# Altium PCB LimePSB-RPCM_1v2.PcbDoc (part 2 of 10) (continued)
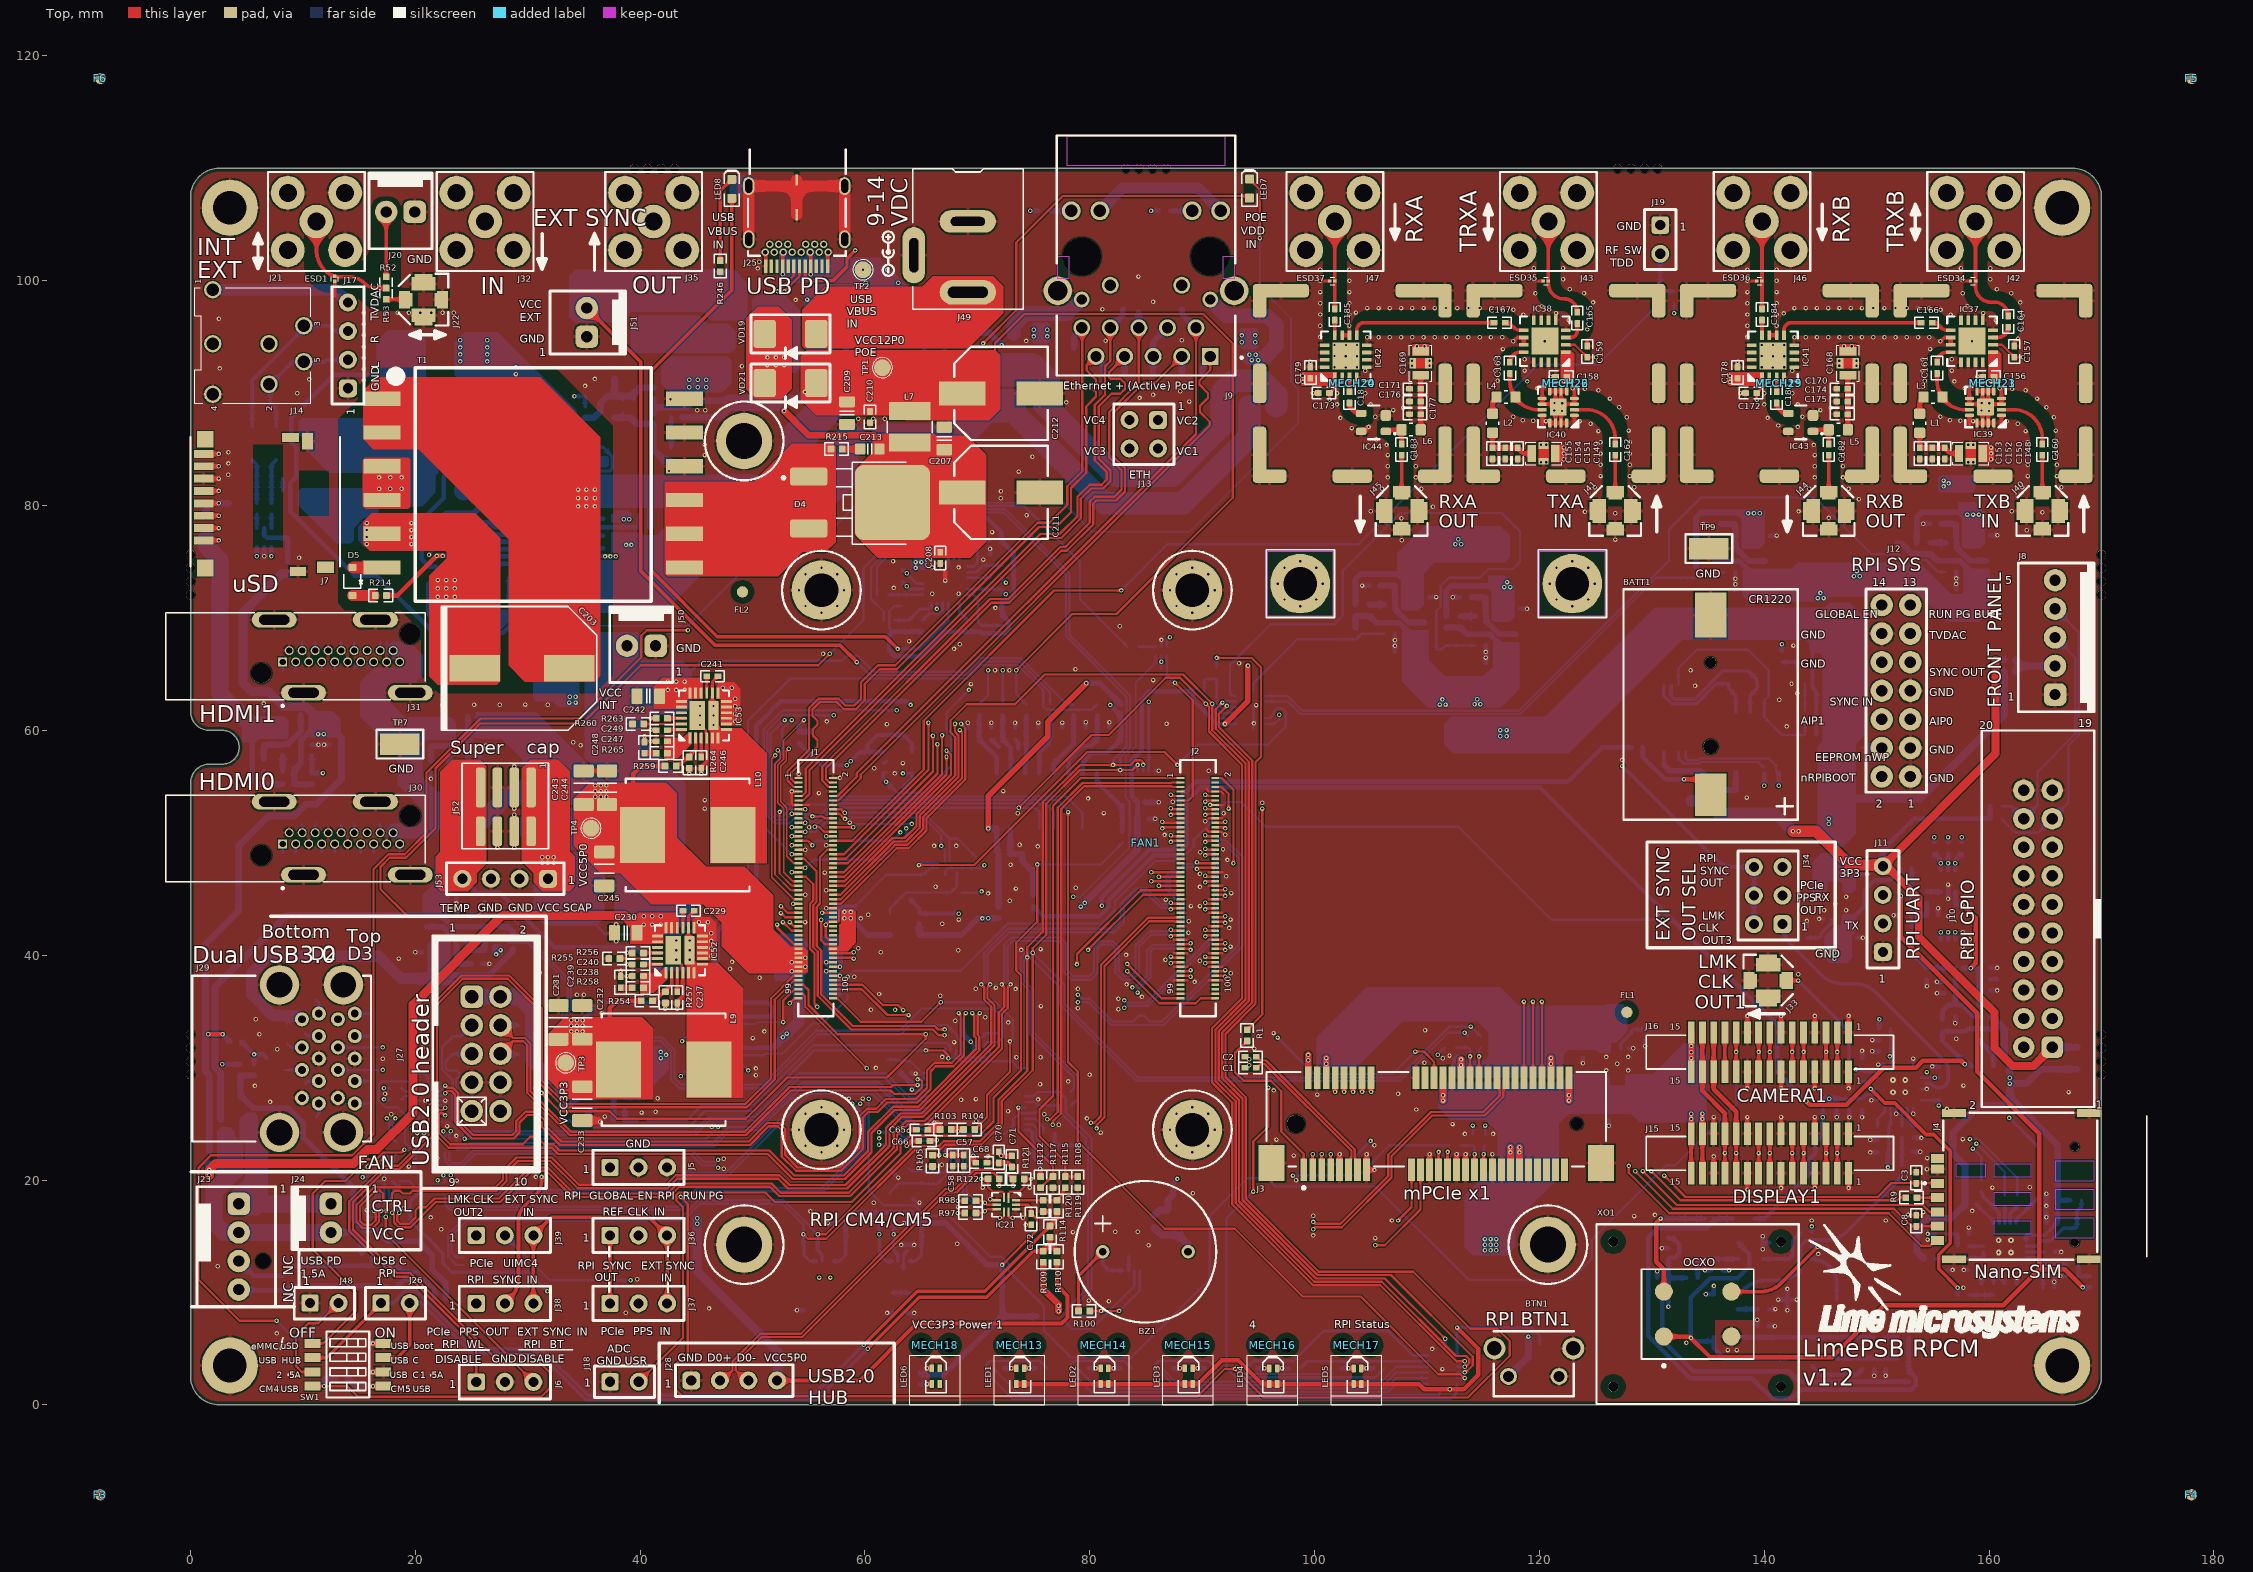
[diagram p0: Top view]
## Footprints (in the part's own frame and the unit in brackets; to place one, negate y for a bottom-side part, rotate by r counter-clockwise, add the part's x,y. Pads: shape width x height; smd on the part's side, far side on the other; paste and mask are expansions set on the pad) (continued)
DUAL_USB-C_632723100011 [mm]
  rect 0.3x1.2 smd mask+0.05: A1(-2.75,5.93) A2(-2.25,5.93) A3(-1.75,5.93) A4(-1.25,5.93) A5(-0.75,5.93) A6(-0.25,5.93) A7(0.25,5.93) A8(0.75,5.93) A9(1.25,5.93) A10(1.75,5.93) A11(2.25,5.93) A12(2.75,5.93)
  round 0.65 hole 0.4 mask+0.04: B1(2.8,4.68) B2(2.4,3.98) B3(1.6,3.98) B4(1.2,4.68) B5(0.8,3.98) B6(0.4,4.68) B7(-0.4,4.68) B8(-0.8,3.98) B9(-1.2,4.68) B10(-1.6,3.98) B11(-2.4,3.98) B12(-2.8,4.68) GND(-2,4.68) GND1(2,4.68)
  oval 1x1.6 hole 0.6 slot 1.2 at 90 deg mask+0.05: Shell(-4.27,3.53) Shell(-4.27,-1.2) Shell(4.27,3.53) Shell(4.27,-1.2)
  rect 0.2x1 smd mask+0.05: Shell(0,1.35) Shell(0,-1.75)
  silkscreen extent -4.37,-4.45 4.34,5, body extent -4.37,-5.6 4.37,6.19, height 3.05
Dual_USB_48406-0003_Molex [mm]
  round 1.25 hole 0.7 paste-0.61 mask+0: 1(-3.5,-1.35) 2(-1,-1.35) 3(1,-1.35) 4(3.5,-1.35) 5(4,0.15) 6(2,0.15) 7(0,0.15) 8(-2,0.15) 9(-4,0.15) 10(-3.5,1.85) 11(-1,1.85) 12(1,1.85) 13(3.5,1.85) 14(4,3.35) 15(2,3.35) 16(0,3.35) 17(-2,3.35) 18(-4,3.35)
  round 3.5 hole 2.3 paste-1.156 mask-1.156: SHIELD(-6.57,-3.35) SHIELD(-6.57,2.33) SHIELD(6.57,-3.35) SHIELD(6.57,2.33)
  silkscreen extent -7.38,-11.11 7.38,4.8, body extent -7.84,-12.81 7.84,4.65, height 16.2
EMC2301-1-ACZL-TR_MOTOR_DRIVER_TSSOP8 [mm]
  rrect50% 1.7x0.45 smd paste+0 mask+0.05: 1(-2.05,0.975) 2(-2.05,0.325) 3(-2.05,-0.325) 4(-2.05,-0.975) 5(2.05,-0.975) 6(2.05,-0.325) 7(2.05,0.325) 8(2.05,0.975)
  silkscreen extent -2.58,-1.5 0.67,1.68, body extent -2.45,-1.5 2.45,1.5, height 1.1
ER2D-LTP_DIODE_DO-214AA [mm]
  round 0.508 on Mech14: 0(0,0)
  rrect25% 2x2.5 smd: A(2.3,0) C(-2.3,0)
  silkscreen extent -3.5,-2.2 3.5,1.7, body extent -2.7,-1.8 2.7,1.8, height 2.3
ESD8472_X3DFN2 [mm]
  rect 0.31x0.3 smd mask+0.05: 1(-0.225,0) 2(0.225,0)
  silkscreen extent -0.2,-0.33 0.2,0.33, body extent -0.34,-0.17 0.34,0.18, height 0.33
FAN_80mm_V1 [mm]
  round 5 hole 3.2 mask+0.05: 1(-35.75,-35.75) 1(-35.75,35.75) 1(35.75,-35.75)
  body extent -66.34,-40 40,40, height 30
FDMS86250_NMOS_POWER56 [mm]
  rect 0.61x1.27 smd mask+0.05: 1(-1.905,-2.67) 2(-0.635,-2.67) 3(0.635,-2.67) 4(1.905,-2.67)
  rect 0.61x0.77 smd mask+0.05: 5(1.905,2.92) 6(0.635,2.92) 7(-0.635,2.92) 8(-1.905,2.92)
  rect 0.255x0.5 smd mask+0.05: 5(2.083,2.285) 8(-2.083,2.285)
  rect 3.91x3.75 smd mask+0.05: PAD(0,0.66)
  silkscreen extent -2.6,-3.7 2.45,2.88, body extent -2.45,-3.24 2.45,3.24, height 1.2
FDVE1040_TOKO_INDUCTOR [mm] "Precision Wire Wound Inductor"
  rect 4x5 smd: 1(-4.025,0) 2(4.025,0)
  silkscreen extent -5.5,-5 5.5,5, body extent -5.55,-5.26 5.45,5.26, height 4.72
Fiducial [mm]
  round 1 smd paste-1 mask+1: 1(0,0)
  Top pour cut-out: 0,1.5 -0.574,1.386 -1.061,1.061 -1.386,0.574 -1.5,0 -1.5,0 -1.386,-0.574 -1.061,-1.061 -0.574,-1.386 0,-1.5 0,-1.5 0.574,-1.386 1.061,-1.061 1.386,-0.574 1.5,0 1.5,0 1.386,0.574 1.061,1.061 0.574,1.386 0,1.5
Fiducial_local [mm]
  round 1 smd paste-1 mask+0.5: 1(0,0)
  Top pour cut-out: -1.05,0 -0.97,-0.402 -0.742,-0.742 -0.402,-0.97 0,-1.05 0,-1.05 0.402,-0.97 0.742,-0.742 0.97,-0.402 1.05,0 1.05,0 0.97,0.402 0.742,0.742 0.402,0.97 0,1.05 0,1.05 -0.402,0.97 -0.742,0.742 -0.97,0.402 -1.05,0
FP-DF40C-100DS-0.4V(51) [mm]
  rect 0.2x0.7 smd mask+0: 1(-9.8,-1.54) 2(-9.8,1.54) 3(-9.4,-1.54) 4(-9.4,1.54) 5(-9,-1.54) 6(-9,1.54) 7(-8.6,-1.54) 8(-8.6,1.54) 9(-8.2,-1.54) 10(-8.2,1.54) 11(-7.8,-1.54) 12(-7.8,1.54) 13(-7.4,-1.54) 14(-7.4,1.54) 15(-7,-1.54) 16(-7,1.54) 17(-6.6,-1.54) 18(-6.6,1.54) 19(-6.2,-1.54) 20(-6.2,1.54) 21(-5.8,-1.54) 22(-5.8,1.54) 23(-5.4,-1.54) 24(-5.4,1.54) 25(-5,-1.54) 26(-5,1.54) 27(-4.6,-1.54) 28(-4.6,1.54) 29(-4.2,-1.54) 30(-4.2,1.54) 31(-3.8,-1.54) 32(-3.8,1.54) 33(-3.4,-1.54) 34(-3.4,1.54) 35(-3,-1.54) 36(-3,1.54) 37(-2.6,-1.54) 38(-2.6,1.54) 39(-2.2,-1.54) 40(-2.2,1.54) 41(-1.8,-1.54) 42(-1.8,1.54) 43(-1.4,-1.54) 44(-1.4,1.54) 45(-1,-1.54) 46(-1,1.54) 47(-0.6,-1.54) 48(-0.6,1.54) 49(-0.2,-1.54) 50(-0.2,1.54) 51(0.2,-1.54) 52(0.2,1.54) 53(0.6,-1.54) 54(0.6,1.54) 55(1,-1.54) 56(1,1.54) 57(1.4,-1.54) 58(1.4,1.54) 59(1.8,-1.54) 60(1.8,1.54) 61(2.2,-1.54) 62(2.2,1.54) 63(2.6,-1.54) 64(2.6,1.54) 65(3,-1.54) 66(3,1.54) 67(3.4,-1.54) 68(3.4,1.54) 69(3.8,-1.54) 70(3.8,1.54) 71(4.2,-1.54) 72(4.2,1.54) 73(4.6,-1.54) 74(4.6,1.54) 75(5,-1.54) 76(5,1.54) 77(5.4,-1.54) 78(5.4,1.54) 79(5.8,-1.54) 80(5.8,1.54) 81(6.2,-1.54) 82(6.2,1.54) 83(6.6,-1.54) 84(6.6,1.54) 85(7,-1.54) 86(7,1.54) 87(7.4,-1.54) 88(7.4,1.54) 89(7.8,-1.54) 90(7.8,1.54) 91(8.2,-1.54) 92(8.2,1.54) 93(8.6,-1.54) 94(8.6,1.54) 95(9,-1.54) 96(9,1.54) 97(9.4,-1.54) 98(9.4,1.54) 99(9.8,-1.54) 100(9.8,1.54)
  silkscreen extent -11.4,-1.57 11.4,1.57, body extent -11.3,-1.69 11.3,1.69, height 1.4
FPC_CONNECTOR_15pin_1-1734248-5 [mm]
  rect 0.6x2 smd mask+0.05: 1(7,-1.75) 1(7,1.75) 2(6,-1.75) 2(6,1.75) 3(5,-1.75) 3(5,1.75) 4(4,1.75) 4(4,-1.75) 5(3,-1.75) 5(3,1.75) 6(2,-1.75) 6(2,1.75) 7(1,-1.75) 7(1,1.75) 8(0,-1.75) 8(0,1.75) 9(-1,-1.75) 9(-1,1.75) 10(-2,-1.75) 10(-2,1.75) 11(-3,-1.75) 11(-3,1.75) 12(-4,-1.75) 12(-4,1.75) 13(-5,-1.75) 13(-5,1.75) 14(-6,-1.75) 14(-6,1.75) 15(-7,-1.75) 15(-7,1.75)
  silkscreen extent -11,-1.5 11,1.5, body extent -11.2,-2.45 11.2,2.4, height 5.68
FSUSB42UMX#1 [mm]
  rect 0.91x0.2 smd mask+0.04: 1(-0.6,0.2)
  rect 0.81x0.2 smd mask+0.04: 2(-0.65,-0.2) 6(0.65,-0.2) 7(0.65,0.2)
  rect 0.2x0.72 smd mask+0.04: 3(-0.4,-0.85) 4(0,-0.85) 5(0.4,-0.85) 8(0.4,0.85) 9(0,0.85) 10(-0.4,0.85)
  silkscreen extent -1.08,-1.28 1.08,1.28, body extent -0.7,-0.9 0.7,0.9, height 0.51
FSUSB42UMX#2 [mm]
  rect 0.91x0.2 smd mask+0.03: 1(-0.6,0.2)
  rect 0.81x0.2 smd mask+0.03: 2(-0.65,-0.2) 6(0.65,-0.2) 7(0.65,0.2)
  rect 0.2x0.77 smd mask+0.03: 3(-0.4,-0.85) 4(0,-0.85) 5(0.4,-0.85) 8(0.4,0.85) 9(0,0.85) 10(-0.4,0.85)
  silkscreen extent -1.08,-1.28 1.08,1.28, body extent -0.7,-0.9 0.7,0.9, height 0.51
FSUSB42UMX#3 [mm]
  rect 0.91x0.22 smd mask+0.03: 1(-0.6,0.2)
  rect 0.81x0.22 smd mask+0.03: 2(-0.65,-0.2) 6(0.65,-0.2) 7(0.65,0.2)
  rect 0.22x0.75 smd mask+0.03: 3(-0.4,-0.85) 4(0,-0.85) 5(0.4,-0.85) 8(0.4,0.85) 9(0,0.85) 10(-0.4,0.85)
  silkscreen extent -1.08,-1.27 1.08,1.28, body extent -0.7,-0.9 0.7,0.9, height 0.51
FUSB340TMX_USB_SWITCH_18-XFQFN [mm]
  rrect50% 0.6x0.2 smd mask+0.035: 1(-0.977,0.8)
  rrect75% 0.6x0.2 smd mask+0.035: 2(-0.977,0.4) 3(-0.977,0) 4(-0.977,-0.4) 5(-0.977,-0.8) 10(0.977,-0.8) 11(0.977,-0.4) 12(0.977,0) 13(0.977,0.4) 14(0.977,0.8)
  rrect75% 0.2x0.6 smd mask+0.035: 6(-0.6,-1.377) 7(-0.2,-1.377) 8(0.2,-1.377) 9(0.6,-1.377) 15(0.6,1.377) 16(0.2,1.377) 17(-0.2,1.377) 18(-0.6,1.377)
  rrect50% 1x1.8 smd mask+0.035: PAD(0,0)
  silkscreen extent -1.4,-1.8 1.4,1.8, body extent -1,-1.4 1,1.4, height 0.4
HDMI_HD01-19-RA-TH [mm]
  rect 0.8x0.8 hole 0.55 mask+0.05: 1(0,0)
  round 0.8 hole 0.55 mask+0.05: 2(-0.578,-1) 3(-1.156,0) 4(-1.734,-1) 5(-2.312,0) 6(-2.89,-1) 7(-3.468,0) 8(-4.046,-1) 9(-4.624,0) 10(-5.202,-1) 11(-5.78,0) 12(-6.358,-1) 13(-6.936,0) 14(-7.514,-1) 15(-8.092,0) 16(-8.67,-1) 17(-9.248,0) 18(-9.826,-1) 19(-10.404,0)
  oval 4x1.4 hole 0.9 slot 2.7 at 0 deg: S1(-1.85,2.75) S2(-11.35,2.75) S3(-8.25,-3.75) S4(0.75,-3.75)
  round 1.8 hole 1.8 unplated: ""(-11.35,-2.5) ""(1.9,1)
  silkscreen extent -12.7,-4.35 10.4,4.02, body extent -12.7,-4.45 10.4,3.43, height 16.43
HDR_1x2 [mm]
  rrect25% 1.524x1.524 hole 0.9: 1(0,1.27)
  round 1.6 hole 0.9: 2(0,-1.27)
  silkscreen extent -1.4,-2.68 1.4,2.68, body extent -1.27,-2.54 1.27,2.54, height 8.54
HDR_1x3 [mm]
  rrect25% 1.524x1.524 hole 0.9: 1(0,2.54)
  round 1.6 hole 0.9: 2(0,0) 3(0,-2.54)
  silkscreen extent -1.53,-4.05 1.53,4.05, body extent -1.27,-3.81 1.27,3.81, height 8.54
Header1x2_TH_LOCKING [mm]
  rrect50% 2x2 hole 1: 1(1.271,0)
  round 2 hole 1: 2(-1.271,0)
  silkscreen extent -2.8,-3.28 2.8,3.45, body extent -2.54,-2.9 2.54,2.9, height 11.52
Header1x4_TH_LOCKING_v2 [mm]
  round 0.25 hole 1.3 unplated mask+0.05: 0(-1.271,-2.16)
  rrect50% 2x2 hole 1: 1(3.814,0)
  round 2 hole 1: 2(1.271,0) 3(-1.271,0) 4(-3.814,0)
  silkscreen extent -5.34,-3.28 5.34,3.7, body extent -5.1,-2.54 5.1,3.3, height 9.84
Header1x5_TH_LOCKING [mm]
  rrect50% 2x2 hole 1: 1(5.086,0)
  round 2 hole 1: 2(2.543,0) 3(0,0) 4(-2.543,0) 5(-5.086,0)
  silkscreen extent -6.61,-3.28 6.61,3.45, body extent -6.35,-2.9 6.35,2.9, height 11.52
HEADER2X2_TH [mm]
  rrect50% 1.6x1.6 hole 0.9: 1(-1.271,-1.271)
  round 1.6 hole 0.9: 2(-1.271,1.271) 3(1.271,-1.271) 4(1.271,1.271)
  silkscreen extent -2.7,-2.68 2.68,2.7, body extent -2.54,-2.54 2.54,2.54, height 8.54
Header3x2 [mm]
  rrect50% 1.6x1.6 hole 0.9: 1(-1.271,-1.271)
  round 1.6 hole 0.9: 2(-1.271,1.271) 3(1.271,-1.271) 4(1.271,1.271) 5(3.814,-1.271) 6(3.814,1.271)
  silkscreen extent -2.68,-2.68 5.23,2.68, body extent -2.54,-2.54 5.08,2.54, height 8.54
HEADER4X1_TH [mm]
  rrect50% 1.6x1.6 hole 0.9: 1(-3.814,0)
  round 1.6 hole 0.9: 2(-1.271,0) 3(1.271,0) 4(3.814,0)
  silkscreen extent -5.23,-1.43 5.23,1.4, body extent -5.08,-1.27 5.08,1.27, height 8.54
Header5x2_TH [mm]
  rrect50% 2x2 hole 1.2: 1(-5.086,-1.271)
  round 2 hole 1.2: 2(-5.086,1.271) 3(-2.543,-1.271) 4(-2.543,1.271) 5(0,-1.271) 6(0,1.271) 7(2.543,-1.271) 8(2.543,1.271) 9(5.086,-1.271) 10(5.086,1.271)
  silkscreen extent -10.5,-4.75 10.5,4.75, body extent -10.18,-4.44 10.14,4.45, height 9.55
Header7x2_TH [mm] "JTAG"
  round 2 hole 1: 1(-7.629,-1.271) 2(-7.629,1.271) 3(-5.086,-1.271) 4(-5.086,1.271) 5(-2.543,-1.271) 6(-2.543,1.271) 7(0,-1.271) 8(0,1.271) 9(2.543,-1.271) 10(2.543,1.271) 11(5.086,-1.271) 12(5.086,1.271) 13(7.629,-1.271) 14(7.629,1.271)
  silkscreen extent -9.03,-2.7 9.04,2.68, body extent -8.9,-2.54 8.9,2.54, height 8.54
HEADER10X2_TH_LOCK [mm]
  rrect50% 1.9x1.9 hole 1 mask+0.05: 1(-11.43,-1.27)
  round 1.9 hole 1 mask+0.05: 2(-11.43,1.27) 3(-8.89,-1.27) 4(-8.89,1.27) 5(-6.35,-1.27) 6(-6.35,1.27) 7(-3.81,-1.27) 8(-3.81,1.27) 9(-1.27,-1.27) 10(-1.27,1.27) 11(1.27,-1.27) 12(1.27,1.27) 13(3.81,-1.27) 14(3.81,1.27) 15(6.35,-1.27) 16(6.35,1.27) 17(8.89,-1.27) 18(8.89,1.27) 19(11.43,-1.27) 20(11.43,1.27)
  silkscreen extent -16.75,-5.6 16.75,5, body extent -16.51,-4.5 16.51,4.6, height 9
HWSON8_LM75 [mm]
  rect 0.625x0.25 smd mask+0.05: 1(-1.4,0.75) 2(-1.4,0.25) 3(-1.4,-0.25) 4(-1.4,-0.75) 5(1.4,-0.75) 6(1.4,-0.25) 7(1.4,0.25) 8(1.4,0.75)
  rect 1.6x1.6 smd mask+0.05: 9(0,0)
  silkscreen extent -1.9,-1.63 1.9,1.6, body extent -1.51,-1.5 1.51,1.5, height 0.8
IRF9358TRPBF_DUAL_NMOS_SOIC8 [mm] "8-Pin Small Outline Integrated Circuit 1.27 mm Pitch"
  oval 1.7x0.6 smd mask+0.05: 1(-2.55,1.905) 2(-2.55,0.635) 3(-2.55,-0.635) 4(-2.55,-1.905) 5(2.55,-1.905) 6(2.55,-0.635) 7(2.55,0.635) 8(2.55,1.905)
  silkscreen extent -2.57,-2.5 1.2,2.88, body extent -3,-2.45 3,2.45, height 1.75
KMB210S_RECTIFIER_BRIDGE [mm]
  rect 0.9x1.84 smd mask+0.05: 1(1.2,3) 2(-1.2,3) 3(-1.2,-3) 4(1.2,-3)
  Top pour cut-out: -2.5,-1.3 -2.5,1.3 2.525,1.3 2.525,-1.3
  silkscreen extent -3.28,-2.97 3.29,3.46, body extent -2.31,-3.35 2.41,3.35, height 2.71
LED-2x0603 [mm]
  round 0.254 on Mech15: 0(0,0)
  rrect25% 0.7x0.4 smd: 1(-0.775,0.325) 2(-0.775,-0.375) 3(0.625,0.325) 4(0.625,-0.375)
  Top pour cut-out: -0.5,0.5 0.5,0.5 0.5,-0.5 -0.5,-0.5
  silkscreen extent -1.55,-0.95 1.68,0.9, body extent -0.8,-0.42 0.8,0.38, height 0.75
LED-0603-GREEN [mm]
  round 0.254 on Mech15: 0(0,0)
  rrect25% 0.8x0.8 smd: A(-0.85,0) K(0.85,0)
  Top pour cut-out: -0.5,0.5 0.5,0.5 0.5,-0.5 -0.5,-0.5
  silkscreen extent -1.55,-0.67 1.68,0.67, body extent -0.8,-0.4 0.8,0.4, height 0.75
LIGHT_PIPE_RIGHT_ANGLE_SLP3-200-100-F [mm]
  round 0.9 hole 1.3 unplated: 0(0,1.225) 0(0,-1.275)
  Top pour cut-out: 0,-1.275 -1.1,-1.275 -1.1,-1.166 -1.058,-0.954 -0.975,-0.754 -0.854,-0.573 -0.701,-0.42 -0.521,-0.3 -0.321,-0.217 -0.108,-0.175 0,-0.175 0,-0.175
  Top pour cut-out: 0,-1.275 1.1,-1.275 1.1,-1.383 1.058,-1.595 0.975,-1.796 0.854,-1.976 0.701,-2.129 0.521,-2.249 0.321,-2.332 0.108,-2.375 0,-2.375 0,-2.375
  Top pour cut-out: 0,-1.275 0,-2.375 -0.108,-2.375 -0.321,-2.332 -0.521,-2.249 -0.701,-2.129 -0.854,-1.976 -0.975,-1.796 -1.058,-1.595 -1.1,-1.383 -1.1,-1.275 -1.1,-1.275
  Top pour cut-out: 0,-1.275 0,-0.175 0.108,-0.175 0.321,-0.217 0.521,-0.3 0.701,-0.42 0.854,-0.573 0.975,-0.754 1.058,-0.954 1.1,-1.166 1.1,-1.275 1.1,-1.275
  Top pour cut-out: 0,1.225 -1.1,1.225 -1.1,1.334 -1.058,1.546 -0.975,1.746 -0.854,1.927 -0.701,2.08 -0.521,2.2 -0.321,2.283 -0.108,2.325 0,2.325 0,2.325
  Top pour cut-out: 0,1.225 1.1,1.225 1.1,1.117 1.058,0.905 0.975,0.704 0.854,0.524 0.701,0.371 0.521,0.251 0.321,0.168 0.108,0.125 0,0.125 0,0.125
  Top pour cut-out: 0,1.225 0,0.125 -0.108,0.125 -0.321,0.168 -0.521,0.251 -0.701,0.371 -0.854,0.524 -0.975,0.704 -1.058,0.905 -1.1,1.117 -1.1,1.225 -1.1,1.225
  Top pour cut-out: 0,1.225 0,2.325 0.108,2.325 0.321,2.283 0.521,2.2 0.701,2.08 0.854,1.927 0.975,1.746 1.058,1.546 1.1,1.334 1.1,1.225 1.1,1.225
  silkscreen extent 0.89,-2.29 5.3,2.21, body extent -1.07,-2.32 7.82,2.21, height 6.62
LMK00105SQ [mm] "QFN, 24-Leads, Body 4,00x4,00mm, Pitch 0,50mm, Thermal Pad 2,60x2,60mm, IPC Medium Density"
  oval 0.9x0.25 smd mask+0.05: 1(-1.925,1.25) 2(-1.925,0.75) 3(-1.925,0.25) 4(-1.925,-0.25) 5(-1.925,-0.75) 6(-1.925,-1.25) 13(1.925,-1.25) 14(1.925,-0.75) 15(1.925,-0.25) 16(1.925,0.25) 17(1.925,0.75) 18(1.925,1.25)
  oval 0.25x0.9 smd mask+0.05: 7(-1.25,-1.925) 8(-0.75,-1.925) 9(-0.25,-1.925) 10(0.25,-1.925) 11(0.75,-1.925) 12(1.25,-1.925) 19(1.25,1.925) 20(0.75,1.925) 21(0.25,1.925) 22(-0.25,1.925) 23(-0.75,1.925) 24(-1.25,1.925)
  rect 2.5x2.5 smd mask+0.05: 25(0,0)
  silkscreen extent -2.3,-2.3 2.3,2.3, body extent -2,-2 2,2, height 1
M24128-DFMC6TG [mm] "8-UFDFPN (2x3)"
  rect 0.65x0.3 smd mask+0.045: 1(-1.4,0.75) 2(-1.4,0.25) 3(-1.4,-0.25) 4(-1.4,-0.75) 5(1.4,-0.75) 6(1.4,-0.25) 7(1.4,0.25) 8(1.4,0.75)
  rect 1.7x1.7 smd mask+0.05: PAD(0,0)
  silkscreen extent -2.06,-1.1 0.9,1.1, body extent -1.52,-1.01 1.52,0.99, height 0.9
MCP3208-CI/SL_SOIC16 [mm] "SOIC, 16-Leads, Body 9.9x3.9mm, Pitch 1.27mm, IPC Low Density"
  oval 2.5x0.7 smd: 1(-2.45,4.445) 2(-2.45,3.175) 3(-2.45,1.905) 4(-2.45,0.635) 5(-2.45,-0.635) 6(-2.45,-1.905) 7(-2.45,-3.175) 8(-2.45,-4.445) 9(2.45,-4.445) 10(2.45,-3.175) 11(2.45,-1.905) 12(2.45,-0.635) 13(2.45,0.635) 14(2.45,1.905) 15(2.45,3.175) 16(2.45,4.445)
  silkscreen extent -2.57,-5 0.8,5.47, body extent -3,-4.95 3,4.95, height 1.4
MICRO_SD_CARD_114-00841-68_v2 [mm]
  rect 0.7x1.75 smd mask+0.1: 1(3.2,-5.412) 6(-2.3,-5.412)
  rect 0.701x1.753 smd mask+0.1: 2(2.1,-5.412) 8(-4.5,-5.412)
  rect 0.701x1.752 smd mask+0.1: 3(1,-5.412) 4(-0.1,-5.412) 5(-1.2,-5.412) 7(-3.4,-5.412)
  rect 1.501x1.501 smd mask+0.1: 9(-5.8,-5.288)
  rect 1.502x1.502 smd mask+0.1: 10(5.65,-5.288)
  rect 0.801x1.501 smd mask+0.1: 11(-5.975,2.312)
  rect 0.8x1.401 smd mask+0.1: 12(5.975,2.963)
  rect 1.5x1 smd mask+0.1: 13(-5.62,3.812)
  rect 1.001x1.502 smd mask+0.1: 14(5.575,5.413)
  Top pour cut-out: 3.8,-1 -5.3,-1 -5.3,1.6 3.8,1.6
  Top pour cut-out: 1,3.1 -3,3.1 -3,5.7 1,5.7
  silkscreen extent -6,-6.6 5.5,6.7, body extent -6,-9.9 6,5.75, height 1.6
MINIPCIE_CONNECTOR_XTRX [mm]
  rect 0.6x2 smd paste+0 mask+0: 1(-11.8,-4.5) 2(-11.4,3.7) 3(-11,-4.5) 4(-10.6,3.7) 5(-10.2,-4.5) 6(-9.8,3.7) 7(-9.4,-4.5) 8(-9,3.7) 9(-8.6,-4.5) 10(-8.2,3.7) 11(-7.8,-4.5) 12(-7.4,3.7) 13(-7,-4.5) 14(-6.6,3.7) 15(-6.2,-4.5) 16(-5.8,3.7) 17(-2.2,-4.5) 18(-1.8,3.7) 19(-1.4,-4.5) 20(-1,3.7) 21(-0.6,-4.5) 22(-0.2,3.7) 23(0.2,-4.5) 24(0.6,3.7) 25(1,-4.5) 26(1.4,3.7) 27(1.8,-4.5) 28(2.2,3.7) 29(2.6,-4.5) 30(3,3.7) 31(3.4,-4.5) 32(3.8,3.7) 33(4.2,-4.5) 34(4.6,3.7) 35(5,-4.5) 36(5.4,3.7) 37(5.8,-4.5) 38(6.2,3.7) 39(6.6,-4.5) 40(7,3.7) 41(7.4,-4.5) 42(7.8,3.7) 43(8.2,-4.5) 44(8.6,3.7) 45(9,-4.5) 46(9.4,3.7) 47(9.8,-4.5) 48(10.2,3.7) 49(10.6,-4.5) 50(11,3.7) 51(11.4,-4.5) 52(11.8,3.7)
  rect 2.3x3.2 smd paste+0 mask+0: 53(-14.65,-3.9) 54(14.65,-3.9)
  round 5.3 hole 3 unplated: MH1(-12.1,47.65) MH2(12.1,47.65)
  round 1.6 hole 1.6 unplated paste-1000 mask+0: ""(-12.5,-0.4)
  round 1.1 hole 1.1 unplated paste-1000 mask+0: ""(12.5,-0.4)
  KeepOutLayer region: -9.2,44.75 -15,44.75 -15,50.55 -9.2,50.55 hole: -12.1,48.961 -12.439,48.917 -12.756,48.786 -13.027,48.577 -13.236,48.306 -13.367,47.989 -13.411,47.65 -13.367,47.311 -13.236,46.994 -13.027,46.723 -12.756,46.514 -12.439,46.383 -12.1,46.339 -11.761,46.383 -11.444,46.514 -11.173,46.723 -10.964,46.994 -10.833,47.311 -10.789,47.65 -10.833,47.989 -10.964,48.306 -11.173,48.577 -11.444,48.786 -11.761,48.917
  KeepOutLayer region: 9.2,44.75 9.2,50.55 15,50.55 15,44.75 hole: 13.411,47.65 13.367,47.989 13.236,48.306 13.027,48.577 12.756,48.786 12.439,48.917 12.1,48.961 11.761,48.917 11.444,48.786 11.173,48.577 10.964,48.306 10.833,47.989 10.789,47.65 10.833,47.311 10.964,46.994 11.173,46.723 11.444,46.514 11.761,46.383 12.1,46.339 12.439,46.383 12.756,46.514 13.027,46.723 13.236,46.994 13.367,47.311
  silkscreen extent -15.1,-6.22 15.1,4.2, body extent -15.19,-4.98 15.35,50.4, height 6.63
MMCX_UFL_conn_u [mm]
  rect 1.55x1 smd mask+0.05: 1(0,1.7) 2(0,-1.7)
  rect 1.2x1.2 smd mask+0.05: 1(0,1.6) 2(0,-1.6)
  rect 1.2x1.6 smd mask+0.05: 2(-1.7,0) 2(1.7,0)
  rect 1.2x2.15 smd mask+0.05: 2(-1.4,0) 2(1.4,0)
  silkscreen extent -2.3,-2.2 2.3,2.2, body extent -1.5,-1.55 1.5,1.55, height 1.25
NANO_SIM_SIM8066-6-1-14-01-A [mm]
  rect 0.8x1.14 smd mask+0.05: C1(0.25,7.37) C2(-2.29,7.37) C3(-4.83,7.37) C6(-1.02,7.37) C7(-3.56,7.37)
  rect 0.8x1.14 smd mask+0.1: C5(1.52,7.37) CD(2.47,7.37)
  rect 0.7x2.1 smd: G1(-6.5,5.89) G2(6.5,5.89) G3(-6.5,-6.11) G4(6.5,-6.11)
  round 0.75 hole 0.75 unplated mask+0: ""(-5,-4.86) ""(3.5,-4.86)
  Top keep-out region: 2,3.135 0.8,3.135 0.8,5.685 2,5.685
  Top keep-out region: -3.08,-0.915 -4.28,-0.915 -4.28,2.295 -3.08,2.295
  Top keep-out region: -0.54,-0.915 -1.74,-0.915 -1.74,2.295 -0.54,2.295
  Top keep-out region: 2,-0.915 0.8,-0.915 0.8,2.295 2,2.295
  Top keep-out region: 2.285,-6.56 0.435,-6.56 0.435,-3.16 2.285,-3.16
  Top keep-out region: -0.255,-6.56 -2.105,-6.56 -2.105,-3.16 -0.255,-3.16
  Top keep-out region: -2.795,-6.56 -4.645,-6.56 -4.645,-3.16 -2.795,-3.16
  silkscreen extent -6.55,-11.25 6.55,8.59, body extent -6.54,-7.19 6.55,7.39, height 1.44
NCP1083_PoE_controller_TSSOP20 [mm]
  rect 1.6x0.36 smd mask+0.05: 1(-3.004,2.925) 2(-3.004,2.275) 3(-3.004,1.625) 4(-3.004,0.975) 5(-3.004,0.325) 6(-3.004,-0.325) 7(-3.004,-0.975) 8(-3.004,-1.625) 9(-3.004,-2.275) 10(-3.004,-2.925) 11(3.004,-2.925) 12(3.004,-2.275) 13(3.004,-1.625) 14(3.004,-0.975) 15(3.004,-0.325) 16(3.004,0.325) 17(3.004,0.975) 18(3.004,1.625) 19(3.004,2.275) 20(3.004,2.925)
  rect 3.1x4.3 smd mask+0.05: PAD(0,0)
  silkscreen extent -3.9,-3.38 2.06,3.6, body extent -3.2,-3.25 3.2,3.25, height 1.2
NRS4018T3R3MDGJ_inductor [mm]
  rect 1.6x3.7 smd mask+0.05: 1(-1.4,0) 2(1.4,0)
  silkscreen extent -0.5,-2 0.5,2, body extent -2,-2 2,2, height 1.89
NZH10C,115_shottky_diode_SOD123 [mm]
  round 0.508 on Mech14: 0(0,0)
  rrect25% 0.91x1.22 smd: A(1.65,0) C(-1.65,0)
  silkscreen extent -1.58,-1 1.45,0.85, body extent -1.95,-0.9 1.95,0.9, height 1.18
PCB_standoff [mm]
  round 5 hole 3: MH1(0,0)
  body extent -2.86,-2.5 2.91,2.5, height 5.2
PCF85063AT_RTC_SOIC-8 [mm]
  rect 1.525x0.65 smd: 1(-2.712,1.905) 2(-2.712,0.635) 3(-2.712,-0.635) 4(-2.712,-1.905) 5(2.712,-1.905) 6(2.712,-0.635) 7(2.712,0.635) 8(2.712,1.905)
  silkscreen extent -2.58,-2.45 1.6,2.83, body extent -3,-2.45 3,2.45, height 1.75
PCF85063AT_RTC_TSSOP8 [mm]
  rect 1.5x0.35 smd mask+0.05: 1(-2.95,0.975) 2(-2.95,0.325) 3(-2.95,-0.325) 4(-2.95,-0.975) 5(2.95,-0.975) 6(2.95,-0.325) 7(2.95,0.325) 8(2.95,0.975)
  silkscreen extent -3.08,-1.5 1.75,1.68, body extent -3.2,-1.5 3.2,1.5, height 1.2
POE300F50LD_TRANSFORMER [mm]
  rect 3.3x1.27 smd: 1(-13.46,7.5) 2(-13.46,4.5) 3(-13.46,1.5) 4(-13.46,-1.5) 5(-13.46,-4.5) 6(-13.46,-7.5) 7(13.46,-7.5) 8(13.46,-4.5) 9(13.46,-1.5) 10(13.46,1.5) 11(13.46,4.5) 12(13.46,7.5)
  silkscreen extent -12.6,-10.5 10.5,10.25, body extent -14.2,-10.41 14.45,10.16, height 11.44
RAKON_RPT7050A [mm] "Rakon's Pluto+ ASIC"
  rect 1.5x1.2 smd: 1(2.45,2.2) 2(-2.75,2.2) 4(-2.75,-2.2) 5(2.45,-2.2)
  rect 1.4x0.9 smd: 3(-3.2,0) 6(3.2,0)
  body extent 4.15,1.8 4.25,1.9, height 0.1
RAKON_RTX5032A [mm] "RAKON RTX5032A 40MHz Filter enabled, with VC, 10pin 5mm x 3.2mm"
  rect 1.35x1 smd mask+0.05: 1(-1.925,-1.15) 4(1.925,-1.15) 6(1.925,1.15) 9(-1.925,1.15)
  rect 0.7x1.35 smd paste-2 mask+0.05: 2(-0.6,-0.975) 3(0.6,-0.975) 7(0.6,0.975) 8(-0.6,0.975)
  rect 1.35x0.7 smd paste-2 mask+0.05: 5(1.925,0) 10(-1.925,0)
  silkscreen extent -3.2,-2.25 2.8,1.85, body extent -2.5,-1.6 2.5,1.6, height 0.9
RAKON_TXCO [mm] "30.72 MHz or 61.44 MHz"
  rect 1.5x1.2 smd: 1(2.45,2.2) 2(-2.75,2.2) 3(-2.75,-2.2) 4(2.45,-2.2)
  body extent -3.5,-2.3 3.2,2.3, height 2.4
RES0402#1 [mm] "Chip Resistor, Body 1.0x0.5mm, EIA 0402, IPC Medium Density"
  round 0.2 on Mech14: 0(0,0)
  rrect20% 0.6x0.6 smd: 1(-0.5,0) 2(0.5,0)
  Top pour cut-out: -0.2,0.35 0.2,0.35 0.2,-0.35 -0.2,-0.35
  silkscreen extent -1.05,-0.55 1.05,0.55, body extent -0.52,-0.27 0.53,0.28, height 0.4
RES0402#2 [mm] "Chip Resistor, Body 1.0x0.5mm, EIA 0402, IPC Medium Density"
  round 0.2 on Mech15: 0(0,0)
  rrect20% 0.6x0.6 smd: 1(-0.5,0) 2(0.5,0)
  Top pour cut-out: -0.2,0.35 0.2,0.35 0.2,-0.35 -0.2,-0.35
  silkscreen extent -1.05,-0.55 1.05,0.55, body extent -0.52,-0.27 0.53,0.28, height 0.4
RES0402_v2#1 [mm] "Chip Resistor, Body 1.0x0.5mm, EIA 0402, IPC Medium Density"
  round 0.2 on Mech14: 0(0,0)
  rrect20% 0.6x0.6 smd: 1(-0.5,0) 2(0.5,0)
  Top pour cut-out: -0.2,0.35 0.2,0.35 0.2,-0.35 -0.2,-0.35
  silkscreen extent -0.4,-0.55 0.4,0.55, body extent -0.52,-0.27 0.53,0.28, height 0.4
RES0402_v2#2 [mm] "Chip Resistor, Body 1.0x0.5mm, EIA 0402, IPC Medium Density"
  round 0.2 on Mech15: 0(0,0)
  rrect20% 0.6x0.6 smd: 1(-0.5,0) 2(0.5,0)
  Top pour cut-out: -0.2,0.35 0.2,0.35 0.2,-0.35 -0.2,-0.35
  silkscreen extent -0.4,-0.55 0.4,0.55, body extent -0.52,-0.27 0.53,0.28, height 0.4
RES0603#1 [mm] "Chip Resistor, Body 1.6x0.8mm, 0603, IPC Medium Density"
  round 0.254 on Mech15: 0(0,0)
  rrect25% 0.9x1 smd: 1(-0.85,0) 2(0.85,0)
  Top pour cut-out: -0.4,0.6 0.4,0.6 0.4,-0.6 -0.4,-0.6
  silkscreen extent -0.15,-0.56 0.15,0.56, body extent -0.87,-0.47 0.88,0.48, height 0.54
RES0603#2 [mm] "Chip Resistor, Body 1.6x0.8mm, 0603, IPC Medium Density"
  round 0.254 on Mech14: 0(0,0)
  rrect25% 0.9x1 smd: 1(-0.85,0) 2(0.85,0)
  Top pour cut-out: -0.4,0.6 0.4,0.6 0.4,-0.6 -0.4,-0.6
  silkscreen extent -0.15,-0.56 0.15,0.56, body extent -0.87,-0.47 0.88,0.48, height 0.54
RES0805 [mm] "Chip Resistor, Body 2.0x1.2mm, 0805, IPC Medium Density"
  round 0.254 on Mech14: 0(0,0)
  rrect25% 0.8x1.3 smd: 1(-1,0) 2(1,0)
  Top pour cut-out: -0.6,0.75 0.6,0.75 0.6,-0.75 -0.6,-0.75
  silkscreen extent -0.38,-0.64 0.38,0.64, body extent -1.1,-0.67 1.1,0.68, height 0.69
RES2512 [mm]
  rrect50% 1.6x3.65 smd mask+0.05: 1(-3.1,0) 2(3.1,0)
  silkscreen extent -4.1,-2.1 4.1,2.1, body extent -3.16,-1.6 3.16,1.6, height 0.62
RF_SHIELD_COVER_16Px916P9_2118715-2 [mm]
  body extent -8.45,-8.45 8.45,8.45, height 4
RF_SHIELD_FRAME_16P5x16P5_2118716-2_v1 [mm]
  rrect50% 1.2x3.5 smd mask+0.05: 1(-8.25,0) 1(8.25,0)
  rrect50% 1.2x5 smd mask+0.05: 1(-8.25,-6.35) 1(8.25,-6.35)
  rrect50% 1.2x3 smd mask+0.05: 1(-8.25,7.35) 1(8.25,7.35)
  rrect50% 3x1.2 smd mask+0.05: 1(-7.35,-8.25) 1(7.35,-8.25)
  rrect50% 5x1.2 smd mask+0.05: 1(-6.35,8.25) 1(6.35,8.25)
  rrect50% 3.5x1.2 smd mask+0.05: 1(0,-8.25)
  body extent -8.25,-8.25 8.25,8.25, height 3.6
RJ45_ETHERNET_MAG_A70-112-331N126 [mm]
  rect 1.508x1.508 hole 1: 1(-5.715,6.475)
  round 1.508 hole 1: 2(-4.445,3.935) 3(-3.175,6.475) 4(-1.905,3.935) 5(-0.635,6.475) 6(0.635,3.935) 7(1.905,6.475) 8(3.175,3.935) 9(4.445,6.475) 10(5.715,3.935) 12(-3.175,0.145) 13(3.175,0.145)
  round 1.408 hole 0.9: 11(-5.715,1.415) 14(5.715,1.415)
  round 1.68 hole 1.12: 15(-6.64,-6.475) 16(-4.1,-6.475) 17(4.1,-6.475) 18(6.64,-6.475)
  round 2.55 hole 1.7: S1(-7.85,0.635) S2(7.85,0.635)
  round 3.35 hole 3.4 unplated: ""(-5.715,-2.415) ""(5.715,-2.415)
  KeepOutLayer region: -6.875,-2.415 -7.85,-2.415 -7.85,-0.415 -6.875,-0.415
  KeepOutLayer region: 7.85,-2.415 6.875,-2.415 6.875,-0.415 7.85,-0.415
  KeepOutLayer region: 7.005,-13.165 -7.005,-13.165 -7.005,-10.465 7.005,-10.465
  silkscreen extent -8.6,-13.16 7.95,8.19, body extent -8.07,-13.29 8.13,8.21, height 13.65
SC-70_NC7WZ16P6X [mm] "SC-70 (SOT323), 6 pin"
  round 0.5 on Mech14: 0(0,0)
  rrect25% 0.7x0.45 smd: 1(-0.85,0.65) 2(-0.85,0) 3(-0.85,-0.65) 4(0.85,-0.65) 5(0.85,0) 6(0.85,0.65)
  silkscreen extent -1.15,-1.1 0.3,1.5, body extent -1.05,-1 1.05,1, height 0.92
SK32A-L_DIODE_DO-214AC#1 [mm]
  round 0.508 on Mech14: 0(0,0)
  rrect25% 2x2.5 smd: A(2.3,0) K(-2.3,0)
  silkscreen extent -3.5,-2.2 3.5,1.7, body extent -2.7,-1.8 2.7,1.8, height 2.3
SK32A-L_DIODE_DO-214AC#2 [mm]
  round 0.508 on Mech15: 0(0,0)
  rrect25% 2x2.5 smd: A(2.3,0) K(-2.3,0)
  silkscreen extent -3.5,-2.2 3.5,1.7, body extent -2.7,-1.8 2.7,1.8, height 2.3
SKY13286-359LF_RF_switch_QFN16 [mm]
  rect 0.85x0.33 smd mask+0.05: 1(-1.875,0.975) 2(-1.875,0.325) 3(-1.875,-0.325) 4(-1.875,-0.975) 9(1.875,-0.975) 10(1.875,-0.325) 11(1.875,0.325) 12(1.875,0.975)
  rect 0.33x0.85 smd mask+0.05: 5(-0.975,-1.875) 6(-0.325,-1.875) 7(0.325,-1.875) 8(0.975,-1.875) 13(0.975,1.875) 14(0.325,1.875) 15(-0.325,1.875) 16(-0.975,1.875)
  rect 2.4x2.4 smd mask+0.05: PAD(0,0)
  silkscreen extent -2.2,-2.2 2.2,2.2, body extent -2,-2 2,2, height 0.92
SMA_connector_side [mm]
  round 3 hole 1.6: 1(0,0) 2(-2.55,2.55) 2(-2.55,-2.55) 2(2.55,-2.55) 2(2.55,2.55)
  silkscreen extent -4.4,-4.3 4.4,4.3, body extent -15.8,-3.2 3.2,3.2, height 9.6
SMAJ12CA-13-F [mm]
  rect 2.5x1.7 smd: A(-2.05,0) K(1.95,0)
  silkscreen extent -3.7,-1.83 3.6,1.45, body extent -2.65,-1.3 2.65,1.3, height 1.79
SMAJ58A_SHOTTKY_DIODE [mm]
  rrect50% 1.7x2 smd mask+0.05: A(-2,0) K(2,0)
  silkscreen extent -3.1,-1.45 3.13,1.3, body extent -2.65,-1.3 2.65,1.3, height 2.89
SMBJ100A_DIODE_DO-214AA [mm]
  round 0.508 on Mech14: 0(0,0)
  rrect25% 2x2.5 smd: A(2.3,0) C(-2.3,0)
  silkscreen extent -3.5,-2.2 3.5,1.7, body extent -2.7,-1.8 2.7,1.8, height 2.3
SOD323 [mm] "SOD-323; 2 Leads; Body 1.8 x 1.35 mm, (LxW)"
  round 0.508 on Mech14: 0(0,0)
  rrect25% 0.6x0.7 smd: A(1.25,0) K(-1.25,0)
  silkscreen extent -0.63,-0.9 0.64,0.75, body extent -1.3,-0.68 1.3,0.67, height 1.1
SOIC127P600-8DL_v2 [mm] "8-Pin Small Outline Integrated Circuit 1.27 mm Pitch"
  oval 1.7x0.6 smd: 1(-2.95,1.905) 2(-2.95,0.635) 3(-2.95,-0.635) 4(-2.95,-1.905) 5(2.85,-1.905) 6(2.85,-0.635) 7(2.85,0.635) 8(2.85,1.905)
  silkscreen extent -2.57,-2.5 1.2,2.88, body extent -3,-2.45 3,2.45, height 1.75
SOT23-3 [mm] "SOT23, 3 pin"
  round 0.5 on Mech14: 0(0,0)
  rrect25% 1x0.6 smd: D(1.15,0) G(-1.15,0.95) S(-1.15,-0.95)
  silkscreen extent -1.25,-1.45 0.38,1.81, body extent -1.4,-1.45 1.4,1.45, height 1.29
SOT23-3_v2 [mm] "SOT23, 3 pin"
  round 0.5 on Mech14: 0(0,0)
  rrect25% 1x0.6 smd: 1(-1.15,0.95) 2(-1.15,-0.95) 3(1.15,0)
  silkscreen extent -1.25,-1.45 0.38,1.81, body extent -1.4,-1.45 1.4,1.45, height 1.29